# Altium PCB PCBrm.PcbDoc (part 5 of 7)
Units mm, origin at the board's own origin, x right, y up, seen from the top; angles counter-clockwise.
Board outline 220.73 x 137.67 mm, 2 copper layers (Top Layer, Bottom Layer); 138 components, 115 nets, 746 pads, 210 vias.
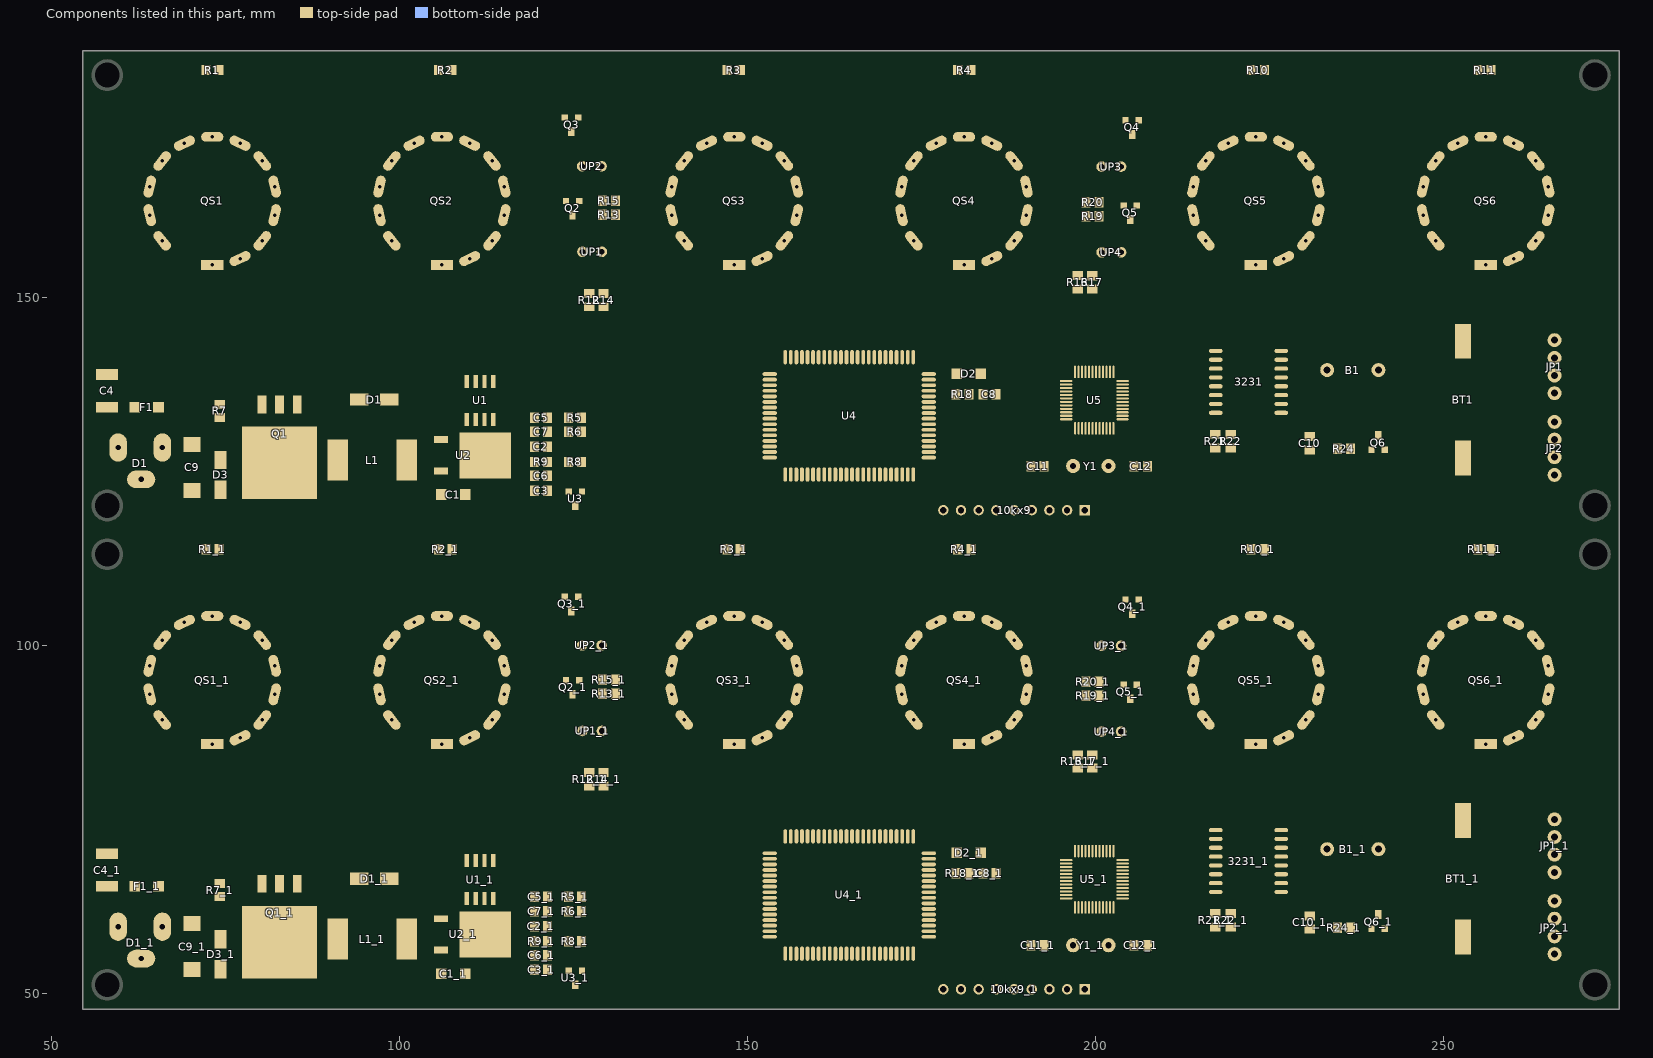
[diagram p5: the components of this part, seen from the top]

## Via types
v1: diameter 1.27, hole 0.711, Top Layer to Bottom Layer, 118 vias
v2: diameter 1.016, hole 0.711, Top Layer to Bottom Layer, 52 vias
v3: diameter 0.61, hole 0.381, Top Layer to Bottom Layer, 40 vias

## Nets (pads, with @x,y where several pads share a name; then routed paths per layer and width w, separated by ;. In a path a pad name is that pad's centre, name@x,y a point inside that pad or via, vN(x,y) a via of type N, cw(c..) or ccw(c..) an arc to the next point about the centre after c; other vN are vias at no path point) (continued)
copper on no net: (continued)
  Top Layer w0.254: 112.016,63.002 112.192,62.418 ; 112.192,63.028 112.192,62.418 ; 112.192,63.65 112.192,62.418 ; 112.368,63.002 112.192,62.418 ; v1@116.447,62.987 115.176,62.342 ; v1@116.542,62.749 115.176,62.342 ; v1@116.558,61.994 115.176,62.342 ; v1@116.598,62.247 115.176,62.342 ; v1@121.729,63.264 121.418,64.415 ; v1@121.785,63.179 121.301,64.182 ; v1@121.86,63.103 121.26,63.917 ; v1@121.954,63.043 121.301,63.651 ; v1@121.962,63.957 121.418,63.418 ; v1@121.968,63.358 121.418,64.415 ; v1@122.002,63.317 121.301,64.182 ; v1@122.047,63.282 121.26,63.917 ; v1@122.063,63.004 121.418,63.418 ; v1@122.101,63.257 121.301,63.651 ; v1@122.112,63.743 121.418,63.418 ; v1@122.121,64.003 121.301,63.651 ; v1@122.164,63.245 121.418,63.418 ; v1@122.187,63.752 121.301,63.651 ; v1@122.255,63.741 121.26,63.917 ; v1@122.267,63.999 121.26,63.917 ; v1@122.312,63.715 121.301,64.182 ; v1@122.357,63.68 121.418,64.415 ; v1@122.392,63.96 121.301,64.182 ; v1@122.493,63.899 121.418,64.415 ; 125.437,106.761 126.637,106.024 125.9,107.225 ; 125.466,94.987 125.793,93.812 126.121,94.987 ; 125.641,107.02 127.356,105.306 127.356,88.908 127.864,88.4 127.864,83.18 129.286,81.758 ; 125.793,95.032 125.793,89.752 127.356,88.19 127.356,81.859 127.254,81.758 127.356,83.177 ; 126.748,81.89 127.356,83.177 ; 126.989,81.802 127.356,83.177 ; 127.031,79.446 128.443,78.669 ; 127.171,79.66 128.443,78.669 ; 127.254,79.858 130.251,76.86 130.251,61.885 v1(130.302,61.885) ; 127.354,79.858 128.443,78.669 ; 127.523,81.764 127.356,83.177 ; 127.567,80.022 128.443,78.669 ; 127.774,81.817 127.356,83.177 ; 127.792,80.144 128.443,78.669 ; 128.748,81.472 128.097,82.946 ; 128.973,81.593 128.097,82.946 ; 129.063,79.446 130.475,78.669 ; 129.186,81.758 128.097,82.946 ; 129.203,79.66 130.475,78.669 ; 129.286,79.858 131.216,77.927 v1(131.216,63.078) ; 129.369,81.955 128.097,82.946 ; 129.386,79.858 130.475,78.669 ; 129.509,82.169 128.097,82.946 ; 129.599,80.022 130.475,78.669 ; 129.824,80.144 130.475,78.669 ; v1@130.717,63.171 131.216,64.475 ; v1@130.963,63.101 131.216,64.475 ; v1@131.469,63.101 131.216,64.475 ; v1@131.716,63.171 131.216,64.475 ; 138.68,95.69 140.212,95.342 ; 138.739,95.668 140.228,95.515 ; 138.757,95.935 140.212,95.342 ; 138.787,95.92 140.228,95.515 ; 138.833,95.648 140.101,95.773 ; 138.834,95.906 140.101,95.773 ; 138.844,95.904 139.921,95.851 ; 138.855,95.628 cw(c138.855,92.271) 141.23,94.645 ; 138.855,95.882 cw(c138.855,93.138) 140.796,95.079 ; 138.855,96.136 cw(c138.855,94.005) 140.362,95.512 ; 138.855,96.39 cw(c138.855,94.872) 139.929,95.946 ; 138.862,95.645 139.921,95.851 ; 139.054,96.499 140.101,95.773 ; 139.056,97.079 139.056,96.819 143.162,92.712 143.162,87.989 142.621,87.448 142.621,70.239 152.145,60.715 ; 139.058,96.497 139.921,95.851 ; 139.085,96.481 140.228,95.515 ; 139.099,91.588 140.5,91.35 ; 139.11,96.462 140.212,95.342 ; 139.162,91.568 140.83,91.43 ; 139.165,91.837 140.5,91.35 ; 139.203,91.82 140.83,91.43 ; 139.221,96.695 140.101,95.773 ; 139.233,91.554 140.737,91.648 ; 139.237,96.685 139.921,95.851 ; 139.239,91.81 140.737,91.648 ; 139.256,91.534 cw(c139.256,87.23) 142.299,90.273 ; 139.256,91.788 cw(c139.256,88.097) 141.866,90.707 ; 139.256,92.042 cw(c139.256,88.965) 141.432,91.141 ; 139.256,92.296 cw(c139.256,89.832) 140.998,91.574 ; 139.256,92.55 cw(c139.256,90.699) 140.565,92.008 ; 139.256,92.804 cw(c139.256,91.566) 140.131,92.441 ; 139.256,93.058 cw(c139.256,92.433) 139.698,92.875 ; 139.267,96.662 140.228,95.515 ; 139.278,91.804 140.739,91.834 ; 139.299,92.441 140.181,92.302 ; 139.306,91.549 140.739,91.834 ; 139.307,96.627 140.212,95.342 ; 139.308,91.803 140.488,91.966 ; 139.37,91.553 140.488,91.966 ; 139.378,92.691 140.181,92.302 ; 139.391,92.43 140.488,91.966 ; 139.403,92.426 140.739,91.834 ; 139.426,91.826 140.181,92.302 ; 139.439,92.413 140.737,91.648 ; 139.466,92.399 140.83,91.43 ; 139.509,92.369 140.5,91.35 ; 139.516,92.655 140.488,91.966 ; 139.528,92.651 140.739,91.834 ; 139.587,92.622 140.737,91.648 ; 139.588,92.984 142.591,89.982 142.591,88.136 142.113,87.658 142.113,69.947 152.145,59.915 ; 139.596,91.628 140.181,92.302 ; 139.63,92.596 140.83,91.43 ; 139.709,92.531 140.5,91.35 ; 140.55,100.317 141.888,99.712 ; 140.564,100.307 141.524,100.009 ; 140.611,100.279 141.59,100.076 ; 140.673,100.543 141.524,100.009 ; 140.675,100.541 141.888,99.712 ; 140.696,100.524 141.59,100.076 ; 140.832,89.296 141.605,88.523 141.605,69.655 152.145,59.115 ; 140.832,100.195 cw(c140.832,98.811) 141.81,99.79 cw(c142.788,100.768) 141.405,100.768 ; 140.832,100.449 cw(c140.832,99.679) 141.377,100.223 cw(c141.921,100.768) 141.151,100.768 ; 140.832,100.768 143.67,97.93 143.67,87.778 143.129,87.237 143.129,70.531 152.145,61.515 ; 141.138,100.975 141.888,99.712 ; 141.142,100.97 141.59,100.076 ; 141.158,100.945 141.524,100.009 ; 141.369,101.086 141.888,99.712 ; 141.387,101.055 141.59,100.076 ; 141.41,101.007 141.524,100.009 ; 142.748,102.716 143.6,101.484 ; 142.787,102.642 143.794,101.571 ; 142.817,102.525 cw(c139.532,99.239) 144.178,99.239 ; 142.971,102.843 143.6,101.484 ; 142.989,102.801 143.794,101.571 ; 142.997,102.704 cw(c140.145,99.852) 144.178,99.852 ; 143.176,102.884 cw(c140.758,100.466) 144.178,100.466 ; 143.356,103.064 cw(c141.371,101.079) 144.178,101.079 ; 143.514,103.278 143.968,101.647 ; 143.521,103.229 144.083,101.805 ; 143.529,103.195 144.178,101.793 ; 143.535,103.173 144.103,102.26 ; 143.536,103.243 cw(c141.984,101.692) 144.178,101.692 ; 143.582,103.025 143.794,101.571 ; 143.59,102.981 143.6,101.484 ; 143.715,103.423 cw(c142.598,102.305) 144.178,102.305 ; 143.765,103.328 143.968,101.647 ; 143.767,103.303 144.083,101.805 ; 143.77,103.283 144.103,102.26 ; 143.769,103.284 144.178,101.793 ; 143.838,103.04 143.794,101.571 ; 143.846,102.961 143.6,101.484 ; 143.895,103.602 cw(c143.211,102.918) 144.178,102.918 ; 144.033,103.321 144.178,103.176 144.178,87.568 143.637,87.027 143.637,70.823 152.145,62.315 ; 144.399,103.284 143.968,101.647 ; 144.4,103.294 144.103,102.26 ; 144.401,103.302 144.083,101.805 ; 144.403,103.322 144.178,101.793 ; 144.639,103.193 144.103,102.26 ; 144.641,103.2 143.968,101.647 ; 144.647,103.228 144.083,101.805 ; 144.653,103.264 144.178,101.793 ; 151.501,103.248 152.017,101.797 ; 151.508,103.212 152.143,101.665 ; 151.511,103.198 152.096,102.027 ; 151.529,103.139 152.075,102.482 ; 151.749,103.313 152.017,101.797 ; 151.752,103.291 152.143,101.665 ; 151.752,103.29 152.096,102.027 ; 151.755,103.274 152.075,102.482 ; 152.017,99.589 cw(c156.169,99.589) 153.233,102.525 ; 152.017,100.202 cw(c155.555,100.202) 153.053,102.704 ; 152.017,100.815 cw(c154.942,100.815) 152.874,102.884 ; 152.017,101.429 cw(c154.329,101.429) 152.694,103.064 ; 152.017,102.042 cw(c153.716,102.042) 152.514,103.243 ; 152.017,102.655 cw(c153.103,102.655) 152.335,103.423 ; 152.017,103.268 cw(c152.489,103.268) 152.155,103.602 ; 152.017,103.321 152.017,92.235 149.681,89.899 147.228,89.899 144.145,86.816 144.145,71.115 152.145,63.115 ; 152.307,102.986 152.489,101.513 ; 152.318,103.063 152.302,101.595 ; 152.336,58.295 cw(c152.253,58.422) 152.145,58.315 ; 152.336,59.095 cw(c152.253,59.222) 152.145,59.115 ; 152.336,59.895 cw(c152.253,60.022) 152.145,59.915 ; 152.336,60.695 cw(c152.253,60.822) 152.145,60.715 ; 152.336,61.495 cw(c152.253,61.622) 152.145,61.515 ; 152.336,62.295 cw(c152.253,62.422) 152.145,62.315 ; 152.336,63.095 cw(c152.253,63.222) 152.145,63.115 ; 152.336,63.895 cw(c152.253,64.022) 152.145,63.915 ; 152.336,64.695 cw(c152.253,64.822) 152.145,64.715 ; 152.336,65.495 cw(c152.253,65.622) 152.145,65.515 ; 152.336,66.295 cw(c152.253,66.422) 152.145,66.315 ; 152.336,67.095 cw(c152.253,67.222) 152.145,67.115 ; 152.336,67.895 cw(c152.253,68.022) 152.145,67.915 ; 152.336,68.695 cw(c152.253,68.822) 152.145,68.715 ; 152.336,69.495 cw(c152.253,69.622) 152.145,69.515 ; 152.381,103.279 152.075,102.482 ; 152.384,103.292 152.017,101.797 ; 152.385,103.304 152.096,102.027 ; 152.386,103.32 152.143,101.665 ; 152.563,102.995 152.489,101.513 ; 152.573,103.038 152.302,101.595 ; 152.609,103.148 152.075,102.482 ; 152.627,103.211 152.017,101.797 ; 152.629,103.222 152.096,102.027 ; 152.636,103.263 152.143,101.665 ; 153.019,70.181 153.167,71.208 153.315,70.181 ; 153.062,70.275 ccw(c152.81,70.528) 153.167,70.528 ccw(c153.524,70.528) 153.272,70.275 ; 153.156,102.789 152.302,101.595 ; 153.167,58.171 153.023,58.315 152.145,58.315 ; 153.167,58.971 153.023,59.115 152.145,59.115 ; 153.167,59.771 153.023,59.915 152.145,59.915 ; 153.167,60.571 153.023,60.715 152.145,60.715 ; 153.167,61.371 153.023,61.515 152.145,61.515 ; 153.167,62.171 153.023,62.315 152.145,62.315 ; 153.167,62.971 153.023,63.115 152.145,63.115 ; 153.167,63.771 153.023,63.915 152.145,63.915 ; 153.167,64.571 153.023,64.715 152.145,64.715 ; 153.167,65.371 153.023,65.515 152.145,65.515 ; 153.167,66.171 153.023,66.315 152.145,66.315 ; 153.167,66.971 153.023,67.115 152.145,67.115 ; 153.167,67.771 153.023,67.915 152.145,67.915 ; 153.167,68.571 153.023,68.715 152.145,68.715 ; 153.167,69.371 153.023,69.515 152.145,69.515 ; 153.167,70.171 153.167,72.048 166.879,85.761 175.341,85.761 177.419,87.839 177.419,92.525 177.032,92.912 177.032,103.299 177.053,103.321 ; 153.175,102.829 152.489,101.513 ; 153.351,102.622 152.302,101.595 ; 153.392,102.691 152.489,101.513 ; 153.474,90.159 cw(c156.794,86.839) 156.794,91.534 ; 153.908,90.592 cw(c156.794,87.706) 156.794,91.788 ; 154.342,91.026 cw(c156.794,88.574) 156.794,92.042 ; 154.775,91.46 cw(c156.794,89.441) 156.794,92.296 ; 155.209,91.893 cw(c156.794,90.308) 156.794,92.55 ; v3@155.215,57.425 155.392,56.373 v3@155.569,57.425 ; v3@155.215,57.451 155.244,56.507 ; v3@155.215,57.423 155.392,56.496 ; 155.218,89.296 155.566,89.296 158.289,92.018 158.289,99.384 152.36,105.313 143.69,105.313 137.761,99.384 137.761,90.367 141.097,87.031 141.097,69.363 152.145,58.315 ; 155.218,97.326 cw(c158.517,97.326) 156.184,99.659 ; 155.218,97.939 cw(c157.904,97.939) 156.005,99.838 ; 155.218,98.552 cw(c157.291,98.552) 155.825,100.018 ; 155.218,99.166 cw(c156.677,99.166) 155.645,100.198 ; 155.218,100.768 155.218,94.718 149.891,89.391 147.438,89.391 144.653,86.606 144.653,71.407 152.145,63.915 ; v3@155.22,57.395 155.54,56.507 ; v3@155.219,57.398 155.377,57.121 ; v3@155.224,57.382 155.407,57.121 ; 155.259,100.126 155.407,98.426 ; 155.264,100.169 155.309,98.634 ; v3@155.266,57.314 cw(c154.963,57.01) 155.392,57.01 cw(c155.821,57.01) v3@155.518,57.314 ; 155.274,100.217 155.288,99.089 ; 155.276,100.228 155.218,98.909 ; 155.287,56.6 ccw(c155.035,56.853) 155.392,56.853 ccw(c155.749,56.853) 155.497,56.6 ; 155.309,100.319 155.268,99.543 ; 155.392,55.746 v3(155.392,57.44) ; 155.392,72.596 155.392,73.513 167.132,85.253 175.551,85.253 178.735,88.437 181.496,88.437 185.037,91.978 185.037,103.321 ; 155.515,100.129 155.407,98.426 ; 155.52,100.156 155.309,98.634 ; 155.531,100.191 155.288,99.089 ; 155.531,100.192 155.218,98.909 ; v3@155.56,57.382 155.377,57.121 ; v3@155.564,57.395 155.244,56.507 ; v3@155.565,57.398 155.407,57.121 ; 155.567,100.26 155.268,99.543 ; v3@155.569,57.423 155.392,56.496 ; v3@155.569,57.451 155.54,56.507 ; 155.587,90.533 156.939,90.849 ; 155.615,90.546 157.114,90.843 ; 155.642,92.327 cw(c156.794,91.175) 156.794,92.804 ; 155.669,90.29 156.939,90.849 ; 155.671,90.565 156.756,90.58 ; 155.686,90.299 157.114,90.843 ; 155.705,90.308 156.756,90.58 ; 155.779,90.064 ccw(c155.779,91.406) 156.728,90.457 ; 155.779,90.318 ccw(c155.779,92.273) 157.161,90.891 ; 155.779,90.572 ccw(c155.779,93.14) 157.595,91.324 ; 155.998,99.808 155.268,99.543 ; v3@156.014,57.864 156.086,56.792 ; v3@156.017,57.829 156.298,56.792 ; v3@156.019,57.819 156.177,57.543 ; v3@156.024,57.804 156.207,57.543 ; 156.03,89.766 157.114,90.843 ; 156.034,89.769 156.756,90.58 ; 156.044,99.548 155.268,99.543 ; 156.044,56.506 156.192,57.533 ; 156.05,89.783 156.939,90.849 ; 156.057,94.839 ccw(c154.695,96.201) 156.622,96.201 ; v3@156.066,57.735 cw(c155.763,57.432) 156.192,57.432 cw(c156.621,57.432) v3@156.318,57.735 ; 156.076,92.761 cw(c156.794,92.042) 156.794,93.058 ; 156.085,99.888 155.288,99.089 ; 156.087,56.6 ccw(c155.835,56.853) 156.192,56.853 ccw(c156.549,56.853) 156.297,56.6 ; 156.093,99.898 155.218,98.909 ; 156.117,99.941 155.309,98.634 ; 156.13,99.972 155.407,98.426 ; 156.192,55.746 v3(156.192,57.861) ; 156.192,56.496 156.192,57.533 ; 156.192,72.596 156.192,73.551 167.386,84.745 175.762,84.745 178.946,87.929 181.706,87.929 188.238,94.46 188.238,100.768 ; 156.225,89.6 157.114,90.843 ; 156.247,89.621 156.756,90.58 ; 156.246,99.686 155.288,99.089 ; 156.261,89.638 156.939,90.849 ; 156.268,99.71 155.218,98.909 ; 156.323,99.788 155.309,98.634 ; 156.34,56.506 156.192,57.533 ; 156.353,99.846 155.407,98.426 ; v3@156.36,57.804 156.177,57.543 ; v3@156.365,57.819 156.207,57.543 ; v3@156.367,57.829 156.086,56.792 ; v3@156.37,57.864 156.298,56.792 ; 156.439,91.718 155.98,92.586 ; 156.458,92.545 155.61,91.382 ; 156.491,95.273 ccw(c155.562,96.201) 156.876,96.201 ; 156.544,92.61 155.296,91.503 ; 156.597,92.639 155.378,91.735 ; 156.601,95.382 cw(c157.195,94.788) 157.195,95.628 ; 156.646,91.585 155.673,92.25 ; 156.651,91.869 155.98,92.586 ; 156.652,92.376 155.61,91.382 ; 156.661,92.665 155.463,91.957 ; 156.673,92.669 155.228,91.913 ; 156.699,92.406 155.296,91.503 ; 156.732,92.42 155.378,91.735 ; 156.747,96.498 156.363,95.238 ; 156.752,96.508 156.163,94.945 ; 156.767,92.69 155.673,92.25 ; 156.768,91.813 155.673,92.25 ; 156.771,92.432 155.463,91.957 ; 156.773,92.433 155.228,91.913 ; 156.777,93.506 156.286,92.922 ; 156.795,91.551 155.463,91.957 ; v3@156.815,57.423 156.992,56.496 ; v3@156.815,57.425 156.992,56.373 v3@157.169,57.425 ; v3@156.815,57.451 156.844,56.507 ; 156.817,91.55 155.228,91.913 ; v3@156.82,57.395 157.14,56.507 ; v3@156.819,57.398 156.977,57.121 ; v3@156.824,57.382 157.007,57.121 ; 156.836,92.441 155.673,92.25 ; 156.846,91.803 155.463,91.957 ; 156.855,91.803 155.228,91.913 ; v3@156.866,57.314 cw(c156.563,57.01) 156.992,57.01 cw(c157.421,57.01) v3@157.118,57.314 ; 156.884,91.55 155.378,91.735 ; 156.885,92.449 156.286,92.922 ; 156.887,56.6 ccw(c156.635,56.853) 156.992,56.853 ccw(c157.349,56.853) 157.097,56.6 ; 156.893,91.807 155.378,91.735 ; 156.934,91.816 155.296,91.503 ; 156.947,93.303 156.286,92.922 ; 156.948,92.424 155.98,92.586 ; 156.956,92.684 155.98,92.586 ; 156.963,91.561 155.296,91.503 ; 156.978,91.832 155.61,91.382 ; 156.984,96.399 156.163,94.945 ; 156.984,96.4 156.363,95.238 ; 156.992,55.746 v3(156.992,57.44) ; 156.992,72.596 157.136,72.74 157.136,73.617 ; 156.994,92.984 156.3,92.984 ; 156.994,97.079 157.353,96.72 157.353,96.135 150.102,88.883 147.649,88.883 145.161,86.396 145.161,71.699 152.145,64.715 ; 157.011,92.682 156.286,92.922 ; 157.036,91.582 155.61,91.382 ; 157.116,73.426 cw(c157.244,73.51) 157.136,73.617 ; v3@157.16,57.382 156.977,57.121 ; v3@157.164,57.395 156.844,56.507 ; v3@157.165,57.398 157.007,57.121 ; v3@157.169,57.423 156.992,56.496 ; v3@157.169,57.451 157.14,56.507 ; 157.455,95.976 156.363,95.238 ; 157.467,95.988 156.163,94.945 ; 157.577,95.75 156.363,95.238 ; v3@157.607,57.873 157.686,56.799 ; v3@157.61,57.838 157.897,56.805 ; v3@157.612,57.828 157.777,57.542 ; 157.612,95.776 156.163,94.945 ; v3@157.618,57.809 157.806,57.564 ; 157.644,56.506 157.792,57.533 ; v3@157.659,57.746 cw(c157.338,57.425) 157.792,57.425 ; 157.687,56.6 ccw(c157.435,56.853) 157.792,56.853 ccw(c158.149,56.853) 157.897,56.6 ; 157.792,55.746 157.792,57.864 v3(157.785,57.871) ; 157.792,56.496 157.792,57.533 ; 157.792,57.46 cw(c158.197,57.46) v3@157.911,57.746 ; 157.792,72.596 157.936,72.74 157.936,73.617 ; 157.916,73.426 cw(c158.044,73.51) 157.936,73.617 ; 157.94,56.506 157.792,57.533 ; v3@157.955,57.819 157.777,57.542 ; v3@157.958,57.832 157.806,57.564 ; v3@157.96,57.841 157.686,56.799 ; v3@157.963,57.875 157.897,56.805 ; v3@158.415,57.423 158.592,56.496 ; v3@158.415,57.425 158.592,56.373 v3@158.769,57.425 ; v3@158.415,57.451 158.444,56.507 ; v3@158.42,57.395 158.74,56.507 ; v3@158.419,57.398 158.577,57.121 ; v3@158.424,57.382 158.607,57.121 ; v3@158.466,57.314 cw(c158.163,57.01) 158.592,57.01 cw(c159.021,57.01) v3@158.718,57.314 ; 158.487,56.6 ccw(c158.235,56.853) 158.592,56.853 ccw(c158.949,56.853) 158.697,56.6 ; 158.592,55.746 v3(158.592,57.44) ; 158.592,72.596 158.736,72.74 158.736,73.617 ; 158.716,73.426 cw(c158.844,73.51) 158.736,73.617 ; v3@158.76,57.382 158.577,57.121 ; v3@158.764,57.395 158.444,56.507 ; v3@158.765,57.398 158.607,57.121 ; v3@158.769,57.423 158.592,56.496 ; v3@158.769,57.451 158.74,56.507 ; v3@159.207,57.873 159.286,56.799 ; v3@159.21,57.838 159.497,56.805 ; v3@159.213,57.828 159.377,57.543 ; v3@159.219,57.809 159.406,57.564 ; 159.244,56.506 159.392,57.533 ; v3@159.259,57.746 cw(c158.939,57.425) 159.392,57.425 ; 159.287,56.6 ccw(c159.035,56.853) 159.392,56.853 ccw(c159.749,56.853) 159.497,56.6 ; 159.392,55.746 159.392,57.864 v3(159.385,57.871) ; 159.392,56.496 159.392,57.533 ; 159.392,57.459 cw(c159.797,57.459) v3@159.511,57.746 ; 159.516,73.426 cw(c159.644,73.51) 159.536,73.617 ; 159.536,72.807 159.536,73.617 ; 159.54,56.506 159.392,57.533 ; v3@159.555,57.819 159.377,57.543 ; v3@159.558,57.832 159.406,57.564 ; v3@159.56,57.841 159.286,56.799 ; v3@159.563,57.875 159.497,56.805 ; v3@160.015,57.423 160.192,56.496 ; v3@160.015,57.425 160.192,56.373 v3@160.369,57.425 ; v3@160.015,57.451 160.044,56.507 ; v3@160.019,57.398 160.177,57.121 ; v3@160.02,57.395 160.34,56.507 ; v3@160.024,57.382 160.207,57.121 ; v3@160.066,57.314 cw(c159.763,57.01) 160.192,57.01 cw(c160.621,57.01) v3@160.318,57.314 ; 160.087,56.6 ccw(c159.835,56.853) 160.192,56.853 ccw(c160.549,56.853) 160.297,56.6 ; 160.192,55.746 v3(160.192,57.44) ; 160.192,72.596 160.336,72.74 160.336,73.617 ; 160.316,73.426 cw(c160.444,73.51) 160.336,73.617 ; v3@160.36,57.382 160.177,57.121 ; v3@160.364,57.395 160.044,56.507 ; v3@160.365,57.398 160.207,57.121 ; v3@160.369,57.423 160.192,56.496 ; v3@160.369,57.451 160.34,56.507 ; v3@160.807,57.873 160.886,56.799 ; v3@160.811,57.838 161.097,56.805 ; v3@160.813,57.828 160.977,57.543 ; v3@160.819,57.809 161.006,57.564 ; 160.844,56.506 160.992,57.533 ; v3@160.859,57.746 cw(c160.54,57.426) 160.992,57.426 ; 160.887,56.6 ccw(c160.635,56.853) 160.992,56.853 ccw(c161.349,56.853) 161.097,56.6 ; 160.992,55.746 160.992,57.865 v3(160.985,57.871) ; 160.992,56.496 160.992,57.533 ; 160.992,57.459 cw(c161.398,57.459) v3@161.111,57.746 ; 160.992,72.596 161.136,72.74 161.136,73.617 ; 161.116,73.426 cw(c161.244,73.51) 161.136,73.617 ; 161.14,56.506 160.992,57.533 ; v3@161.155,57.819 160.977,57.543 ; v3@161.159,57.832 161.006,57.564 ; v3@161.16,57.841 160.886,56.799 ; v3@161.163,57.875 161.097,56.805 ; v3@161.615,57.423 161.792,56.496 ; v3@161.615,57.425 161.792,56.373 v3@161.969,57.425 ; v3@161.615,57.451 161.644,56.507 ; v3@161.619,57.398 161.777,57.121 ; v3@161.62,57.395 161.94,56.507 ; v3@161.624,57.382 161.807,57.121 ; v3@161.666,57.314 cw(c161.363,57.01) 161.792,57.01 cw(c162.221,57.01) v3@161.918,57.314 ; 161.687,56.6 ccw(c161.435,56.853) 161.792,56.853 ccw(c162.149,56.853) 161.897,56.6 ; 161.792,55.746 v3(161.792,57.44) ; 161.792,72.596 161.936,72.74 161.936,73.617 ; 161.916,73.426 cw(c162.044,73.51) 161.936,73.617 ; v3@161.96,57.382 161.777,57.121 ; v3@161.964,57.395 161.644,56.507 ; v3@161.965,57.398 161.807,57.121 ; v3@161.969,57.423 161.792,56.496 ; v3@161.969,57.451 161.94,56.507 ; v3@162.414,57.864 162.486,56.792 ; v3@162.417,57.829 162.698,56.792 ; v3@162.419,57.819 162.577,57.543 ; v3@162.424,57.804 162.607,57.543 ; 162.444,56.506 162.592,57.533 ; v3@162.466,57.735 cw(c162.163,57.432) 162.592,57.432 cw(c163.021,57.432) v3@162.718,57.735 ; 162.487,56.6 ccw(c162.235,56.853) 162.592,56.853 ccw(c162.949,56.853) 162.697,56.6 ; 162.592,55.746 v3(162.592,57.861) ; 162.592,56.496 162.592,57.533 ; 162.592,72.596 162.736,72.74 162.736,73.617 ; 162.716,73.426 cw(c162.844,73.51) 162.736,73.617 ; 162.74,56.506 162.592,57.533 ; v3@162.76,57.804 162.577,57.543 ; v3@162.765,57.819 162.607,57.543 ; v3@162.767,57.829 162.486,56.792 ; v3@162.77,57.864 162.698,56.792 ; v3@163.215,57.451 163.244,56.507 ; v3@163.215,57.423 163.392,56.496 ; v3@163.215,57.425 163.392,56.373 v3@163.569,57.425 ; v3@163.219,57.398 163.377,57.121 ; v3@163.22,57.395 163.54,56.507 ; v3@163.224,57.382 163.407,57.121 ; v3@163.266,57.314 cw(c162.963,57.01) 163.392,57.01 cw(c163.821,57.01) v3@163.518,57.314 ; 163.287,56.6 ccw(c163.035,56.853) 163.392,56.853 ccw(c163.749,56.853) 163.497,56.6 ; 163.392,55.746 v3(163.392,57.44) ; 163.392,72.596 163.536,72.74 163.536,73.617 170.091,80.173 205.657,80.173 210.083,84.599 210.083,99.65 217.778,107.345 228.132,107.345 235.251,100.225 235.251,88.504 238.502,85.253 250.912,85.253 253.588,87.929 256.93,87.929 259.967,90.965 259.967,103.321 ; 163.516,73.426 cw(c163.644,73.51) 163.536,73.617 ; v3@163.56,57.382 163.377,57.121 ; v3@163.564,57.395 163.244,56.507 ; v3@163.565,57.398 163.407,57.121 ; v3@163.569,57.423 163.392,56.496 ; v3@163.569,57.451 163.54,56.507 ; v3@164.008,57.873 164.087,56.799 ; v3@164.011,57.838 164.297,56.805 ; v3@164.013,57.828 164.177,57.543 ; v3@164.019,57.809 164.206,57.563 ; 164.044,56.506 164.192,57.533 ; v3@164.06,57.746 cw(c163.741,57.427) 164.192,57.427 ; 164.087,56.6 ccw(c163.835,56.853) 164.192,56.853 ccw(c164.549,56.853) 164.297,56.6 ; 164.192,55.746 164.192,57.865 v3(164.186,57.871) ; 164.192,56.496 164.192,57.533 ; 164.192,57.458 cw(c164.599,57.458) v3@164.311,57.746 ; 164.192,72.596 164.336,72.74 164.336,73.617 ; 164.316,73.426 cw(c164.444,73.51) 164.336,73.617 ; 164.34,56.506 164.192,57.533 ; v3@164.355,57.819 164.177,57.543 ; v3@164.359,57.832 164.206,57.563 ; v3@164.361,57.84 164.087,56.799 ; v3@164.363,57.875 164.297,56.805 ; v3@164.815,57.425 164.992,56.373 v3@165.169,57.425 ; v3@164.815,57.451 164.844,56.507 ; v3@164.815,57.423 164.992,56.496 ; v3@164.82,57.395 165.14,56.507 ; v3@164.819,57.398 164.977,57.121 ; v3@164.824,57.382 165.007,57.121 ; v3@164.866,57.314 cw(c164.563,57.01) 164.992,57.01 cw(c165.421,57.01) v3@165.118,57.314 ; 164.887,56.6 ccw(c164.635,56.853) 164.992,56.853 ccw(c165.349,56.853) 165.097,56.6 ; 164.992,55.746 v3(164.992,57.44) ; 164.992,72.596 165.136,72.74 165.136,73.617 ; 165.116,73.426 cw(c165.244,73.51) 165.136,73.617 ; v3@165.16,57.382 164.977,57.121 ; v3@165.164,57.395 164.844,56.507 ; v3@165.165,57.398 165.007,57.121 ; v3@165.169,57.423 164.992,56.496 ; v3@165.169,57.451 165.14,56.507 ; 165.644,56.506 165.792,57.533 ; v3@165.659,57.931 165.696,56.862 ; v3@165.66,57.898 165.907,56.734 ; v3@165.661,57.893 165.812,57.536 ; 165.687,56.6 ccw(c165.435,56.853) 165.792,56.853 ; v3@165.711,57.796 cw(c165.515,57.601) 165.792,57.601 ; 165.792,55.746 165.792,57.878 v3(165.837,57.922) ; 165.792,56.496 165.792,57.533 ; 165.792,57.385 cw(c166.374,57.385) v3@165.962,57.796 ; 165.792,72.596 165.936,72.74 165.936,73.617 ; 165.897,56.6 cw(c166.149,56.853) 165.792,56.853 ; 165.916,73.426 cw(c166.044,73.51) 165.936,73.617 ; 165.94,56.506 165.792,57.533 ; v3@166.007,57.87 165.812,57.536 ; v3@166.01,57.884 165.696,56.862 ; v3@166.014,57.919 165.907,56.734 ; v3@166.415,57.423 166.592,56.496 ; v3@166.415,57.425 166.592,56.373 v3@166.769,57.425 ; v3@166.415,57.451 166.444,56.507 ; v3@166.42,57.395 166.74,56.507 ; v3@166.419,57.398 166.577,57.121 ; v3@166.424,57.382 166.607,57.121 ; v3@166.466,57.314 cw(c166.163,57.01) 166.592,57.01 cw(c167.021,57.01) v3@166.718,57.314 ; 166.487,56.6 ccw(c166.235,56.853) 166.592,56.853 ccw(c166.949,56.853) 166.697,56.6 ; 166.592,55.746 v3(166.592,57.44) ; 166.592,72.596 166.736,72.74 166.736,73.617 ; 166.716,73.426 cw(c166.844,73.51) 166.736,73.617 ; v3@166.76,57.382 166.577,57.121 ; v3@166.764,57.395 166.444,56.507 ; v3@166.765,57.398 166.607,57.121 ; v3@166.769,57.423 166.592,56.496 ; v3@166.769,57.451 166.74,56.507 ; v3@167.208,57.873 167.287,56.799 ; v3@167.211,57.838 167.497,56.804 ; v3@167.214,57.828 167.377,57.544 ; v3@167.219,57.809 167.406,57.562 ; 167.244,56.506 167.392,57.533 ; v3@167.26,57.746 cw(c166.942,57.428) 167.392,57.428 ; 167.287,56.6 ccw(c167.035,56.853) 167.392,56.853 ccw(c167.749,56.853) 167.497,56.6 ; 167.392,55.746 167.392,57.865 v3(167.386,57.871) ; 167.392,56.496 167.392,57.533 ; 167.392,57.457 cw(c167.801,57.457) v3@167.512,57.746 ; 167.392,72.596 167.536,72.74 167.536,73.617 ; 167.516,73.426 cw(c167.644,73.51) 167.536,73.617 ; 167.54,56.506 167.392,57.533 ; v3@167.556,57.818 167.377,57.544 ; v3@167.559,57.831 167.406,57.562 ; v3@167.561,57.84 167.287,56.799 ; v3@167.564,57.875 167.497,56.804 ; v3@168.015,57.423 168.192,56.496 ; v3@168.015,57.425 168.192,56.373 v3@168.369,57.425 ; v3@168.015,57.451 168.044,56.507 ; v3@168.02,57.395 168.34,56.507 ; v3@168.019,57.398 168.177,57.121 ; v3@168.024,57.382 168.207,57.121 ; v3@168.066,57.314 cw(c167.763,57.01) 168.192,57.01 cw(c168.621,57.01) v3@168.318,57.314 ; 168.087,56.6 ccw(c167.835,56.853) 168.192,56.853 ccw(c168.549,56.853) 168.297,56.6 ; 168.192,55.746 v3(168.192,57.44) ; 168.192,72.596 168.336,72.74 168.336,73.617 ; 168.316,73.426 cw(c168.444,73.51) 168.336,73.617 ; v3@168.36,57.382 168.177,57.121 ; v3@168.364,57.395 168.044,56.507 ; v3@168.365,57.398 168.207,57.121 ; v3@168.369,57.423 168.192,56.496 ; v3@168.369,57.451 168.34,56.507 ; v3@168.834,57.852 168.884,56.783 ; v3@168.836,57.817 169.102,56.767 ; v3@168.839,57.802 169.009,57.498 ; 168.844,56.506 168.992,57.533 ; v3@168.886,57.72 cw(c168.63,57.464) 168.992,57.464 ; 168.887,56.6 ccw(c168.635,56.853) 168.992,56.853 ccw(c169.349,56.853) 169.097,56.6 ; 168.992,55.746 v3@168.992,57.846 ; 168.992,56.496 168.992,57.533 ; 168.992,57.369 cw(c169.488,57.369) v3@169.137,57.72 ; 168.992,72.596 169.136,72.74 169.136,73.617 ; 169.116,73.426 cw(c169.244,73.51) 169.136,73.617 ; 169.14,56.506 168.992,57.533 ; v3@169.183,57.799 169.009,57.498 ; v3@169.186,57.81 168.884,56.783 ; v3@169.189,57.846 169.102,56.767 ; v3@169.609,57.41 169.644,56.507 ; v3@169.609,57.381 169.792,56.496 ; v3@169.609,57.384 169.792,56.333 ; v3@169.614,57.356 169.777,57.073 ; v3@169.615,57.352 169.94,56.507 ; v3@169.62,57.338 169.806,57.09 ; v3@169.661,57.274 cw(c169.343,56.956) 169.792,56.956 ; 169.687,56.6 ccw(c169.435,56.853) 169.792,56.853 ccw(c170.149,56.853) 169.897,56.6 ; 169.792,55.746 v3@169.792,57.44 ; 169.792,56.984 cw(c170.202,56.984) v3@169.912,57.274 ; 169.792,72.596 169.936,72.74 169.936,73.617 ; 169.916,73.426 cw(c170.044,73.51) 169.936,73.617 ; v3@169.956,57.346 169.777,57.073 ; v3@169.958,57.354 169.644,56.507 ; v3@169.96,57.359 169.806,57.09 ; v3@169.963,57.383 169.792,56.496 ; v3@169.964,57.385 169.792,56.333 ; v3@169.964,57.412 169.94,56.507 ; v3@170.434,57.803 170.477,56.732 ; v3@170.437,57.765 170.71,56.714 ; v3@170.44,57.751 170.609,57.447 ; 170.444,56.506 v3@170.592,57.533 ; v3@170.486,57.669 cw(c170.23,57.414) 170.592,57.414 ; 170.487,56.6 ccw(c170.235,56.853) 170.592,56.853 ccw(c170.949,56.853) 170.697,56.6 ; 170.592,55.746 v3@170.592,57.795 ; 170.592,56.496 v3@170.592,57.533 ; 170.592,57.318 cw(c171.089,57.318) v3@170.738,57.669 ; 170.592,72.596 170.736,72.74 170.736,73.617 ; 170.716,73.426 cw(c170.844,73.51) 170.736,73.617 ; 170.74,56.506 v3@170.592,57.533 ; v3@170.783,57.748 170.609,57.447 ; v3@170.786,57.758 170.477,56.732 ; v3@170.79,57.797 170.71,56.714 ; 171.392,72.596 171.536,72.74 171.536,73.617 ; 171.516,73.426 cw(c171.644,73.51) 171.536,73.617 ; 171.65,95.704 173.087,95.304 ; 171.699,95.682 173.038,95.469 ; 171.734,95.67 172.781,95.64 ; 171.74,95.945 173.087,95.304 ; 171.764,95.932 173.038,95.469 ; 171.774,95.927 172.781,95.64 ; 171.875,95.628 cw(c171.875,93.205) 173.589,94.919 ; 171.875,95.882 cw(c171.875,94.072) 173.155,95.352 ; 171.875,96.136 cw(c171.875,94.939) 172.722,95.786 ; 172.073,91.599 173.466,91.29 ; 172.076,92.984 175.547,89.513 175.547,88.122 174.71,87.285 166.248,87.285 150.745,71.782 150.745,69.315 152.145,67.915 ; 172.076,97.079 172.076,96.432 176.403,92.105 176.403,88.26 174.92,86.777 166.458,86.777 151.253,71.571 151.253,69.607 152.145,68.715 ; 172.113,96.46 173.038,95.469 ; 172.121,96.453 172.781,95.64 ; 172.128,96.447 173.087,95.304 ; 172.14,91.574 173.478,91.466 ; 172.151,91.844 173.466,91.29 ; 172.162,91.568 173.563,91.497 ; 172.186,91.827 173.478,91.466 ; 172.192,72.596 172.336,72.74 172.336,73.617 ; 172.199,91.822 173.563,91.497 ; 172.25,91.808 173.172,91.802 ; 172.276,91.534 cw(c172.276,88.516) 174.41,90.65 ; 172.276,91.788 cw(c172.276,89.383) 173.976,91.084 ; 172.276,92.042 cw(c172.276,90.25) 173.543,91.517 ; 172.276,92.296 cw(c172.276,91.117) 173.109,91.951 ; 172.285,91.55 173.172,91.802 ; 172.316,73.426 cw(c172.444,73.51) 172.336,73.617 ; 172.317,96.617 173.038,95.469 ; 172.338,96.594 173.087,95.304 ; 172.342,96.59 172.781,95.64 ; 172.448,96.201 ccw(c172.792,96.201) 172.549,95.959 ; 172.468,92.398 173.172,91.802 ; 172.481,92.39 173.563,91.497 ; 172.495,92.38 173.478,91.466 ; 172.522,92.359 173.466,91.29 ; 172.662,92.572 173.563,91.497 ; 172.664,92.571 173.172,91.802 ; 172.688,92.551 173.478,91.466 ; 172.729,92.511 173.466,91.29 ; 172.992,72.596 173.136,72.74 173.136,73.617 ; 173.116,73.426 cw(c173.244,73.51) 173.136,73.617 ; 173.279,89.295 cw(c171.896,89.295) 172.874,88.317 cw(c173.852,87.339) 173.852,88.722 ; 173.375,89.574 173.16,88.537 ; 173.4,89.619 173.094,88.604 ; 173.41,89.633 172.839,88.282 ; 173.533,89.295 cw(c172.763,89.295) 173.308,88.751 cw(c173.852,88.206) 173.852,88.976 ; 173.555,100.314 174.898,99.722 ; 173.57,100.303 174.544,100.009 ; 173.617,100.276 174.61,100.076 ; 173.621,89.491 173.16,88.537 ; 173.637,89.512 172.839,88.282 ; 173.638,89.514 173.094,88.604 ; 173.677,100.54 174.544,100.009 ; 173.678,100.539 174.898,99.722 ; 173.7,100.522 174.61,100.076 ; 173.712,72.72 174.713,73.276 ; 173.792,72.596 174.713,73.276 ; 173.852,89.296 172.349,87.793 166.038,87.793 150.237,71.992 150.237,69.023 152.145,67.115 ; 173.852,100.195 cw(c173.852,98.811) 174.83,99.79 cw(c175.808,100.768) 174.425,100.768 ; 173.852,100.449 cw(c173.852,99.679) 174.397,100.223 cw(c174.941,100.768) 174.171,100.768 ; 173.852,100.768 176.524,98.096 176.524,92.702 176.911,92.315 176.911,88.049 175.13,86.269 166.669,86.269 151.761,71.361 151.761,69.899 152.145,69.515 ; 173.863,72.426 175.006,73.569 205.446,73.569 205.499,73.516 208.354,73.516 218.694,83.856 224.409,83.856 225.04,84.486 225.04,87.026 230.998,92.984 ; 173.887,72.482 174.713,73.276 ; 174.058,89.044 173.094,88.604 ; 174.136,88.796 173.094,88.604 ; 174.137,100.977 174.898,99.722 ; 174.139,100.974 174.61,100.076 ; 174.156,100.949 174.544,100.009 ; 174.181,88.821 173.16,88.537 ; 174.198,88.832 172.839,88.282 ; 174.367,101.09 174.898,99.722 ; 174.383,101.064 174.61,100.076 ; 174.407,101.017 174.544,100.009 ; 175.256,61.223 174.289,61.371 ; 175.256,61.518 174.289,61.371 ; 175.267,61.371 174.289,61.371 ; 175.748,102.718 176.595,101.478 ; 175.784,102.649 176.777,101.558 ; 175.837,102.525 cw(c172.953,99.64) 177.032,99.64 ; 175.971,102.844 176.595,101.478 ; 175.988,102.805 176.777,101.558 ; 176.017,58.171 176.263,58.416 176.997,58.416 177.773,59.192 178.56,59.192 178.595,59.157 v2(182.88,59.157) ; 176.017,58.971 176.751,58.971 178.105,60.325 185.969,60.325 190.826,65.181 195.746,65.181 ; 176.017,59.771 176.263,60.016 176.997,60.016 178.525,61.544 v2(182.88,61.544) 186.614,61.544 191.251,66.181 195.746,66.181 ; 176.017,60.571 176.751,60.571 178.614,62.433 186.842,62.433 191.09,66.681 195.746,66.681 ; 176.017,61.371 174.289,61.371 ; 176.017,66.171 177.819,66.171 v1(178.206,66.558) ; 176.017,102.704 cw(c173.566,100.254) 177.032,100.254 ; 176.196,102.884 cw(c174.179,100.867) 177.032,100.867 ; 176.376,103.064 cw(c174.792,101.48) 177.032,101.48 ; 176.514,103.292 176.929,101.625 ; 176.516,103.265 176.956,102.06 ; 176.519,103.249 177.032,101.793 ; 176.556,103.243 cw(c175.406,102.093) 177.032,102.093 ; 176.584,103.021 176.777,101.558 ; 176.591,102.98 176.595,101.478 ; 176.735,103.423 cw(c176.019,102.706) 177.032,102.706 ; 176.767,103.314 177.032,101.793 ; 176.766,103.328 176.956,102.06 ; 176.766,103.335 176.929,101.625 ; 176.84,103.032 176.777,101.558 ; 176.847,102.959 176.595,101.478 ; 176.915,103.602 cw(c176.632,103.32) 177.032,103.32 ; 177.396,103.264 176.956,102.06 ; 177.399,103.277 176.929,101.625 ; 177.401,103.292 177.032,101.793 ; 177.628,103.152 176.956,102.06 ; 177.639,103.189 176.929,101.625 ; 177.644,103.21 177.032,101.793 ; v1(178.181,58.278) 177.658,58.278 176.997,57.616 174.626,57.616 174.289,57.954 174.289,61.371 ; v1@179.883,54.407 179.908,54.407 180.645,53.67 180.645,50.622 ; v1@181.305,54.788 183.185,52.908 183.185,50.622 ; v2@182.88,59.182 185.623,59.182 191.122,64.681 195.746,64.681 ; v1@184.366,54.953 188.265,51.054 188.265,50.622 ; 184.503,103.241 185.037,101.797 ; 184.51,103.207 185.16,101.657 ; 184.514,103.19 185.116,102.027 ; 184.535,103.127 185.095,102.482 ; 184.75,103.309 185.037,101.797 ; 184.753,103.285 185.116,102.027 ; 184.753,103.288 185.16,101.657 ; 184.757,103.267 185.095,102.482 ; 185.037,99.589 cw(c189.189,99.589) 186.253,102.525 ; 185.037,100.202 cw(c188.575,100.202) 186.073,102.704 ; 185.037,100.815 cw(c187.962,100.815) 185.894,102.884 ; 185.037,101.429 cw(c187.349,101.429) 185.714,103.064 ; 185.037,102.042 cw(c186.736,102.042) 185.534,103.243 ; 185.037,102.655 cw(c186.123,102.655) 185.355,103.423 ; 185.037,103.268 cw(c185.509,103.268) 185.175,103.602 ; 185.307,102.98 185.505,101.505 ; 185.317,103.056 185.319,101.587 ; 185.383,103.286 185.095,102.482 ; 185.385,103.296 185.037,101.797 ; 185.386,103.308 185.116,102.027 ; 185.387,103.323 185.16,101.657 ; 185.564,102.992 185.505,101.505 ; 185.573,103.034 185.319,101.587 ; 185.614,103.16 185.095,102.482 ; 185.629,103.218 185.037,101.797 ; 185.632,103.231 185.116,102.027 ; 185.637,103.269 185.16,101.657 ; v1@185.903,55.753 185.75,55.601 185.75,54.534 188.051,52.233 190.576,52.233 190.805,52.004 190.805,50.622 ; 186.159,102.792 185.319,101.587 ; 186.178,102.832 185.505,101.505 ; 186.356,102.628 185.319,101.587 ; 186.396,102.697 185.505,101.505 ; v1(187.325,54.966) 187.325,54.305 188.991,52.639 191.328,52.639 193.345,50.622 ; 188.238,89.296 188.894,89.952 189.242,89.952 191.309,92.018 191.309,99.384 184.739,105.954 177.114,105.954 170.586,99.426 170.586,89.418 169.469,88.301 165.827,88.301 149.729,72.202 149.729,68.731 152.145,66.315 ; 188.238,97.326 cw(c191.537,97.326) 189.204,99.659 ; 188.238,97.939 cw(c190.924,97.939) 189.025,99.838 ; 188.238,98.552 cw(c190.311,98.552) 188.845,100.018 ; 188.238,99.166 cw(c189.697,99.166) 188.665,100.198 ; 188.259,100.116 188.44,98.463 ; 188.264,100.162 188.329,98.634 ; 188.272,100.208 188.308,99.089 ; 188.275,100.22 188.238,98.905 ; 188.304,100.306 188.288,99.543 ; 188.515,100.124 188.44,98.463 ; 188.52,100.152 188.329,98.634 ; 188.53,100.186 188.308,99.089 ; 188.53,100.187 188.238,98.905 ; 188.564,100.254 188.288,99.543 ; 188.591,90.535 189.944,90.842 ; 188.618,90.546 190.135,90.844 ; 188.671,90.291 189.944,90.842 ; 188.674,90.566 189.776,90.58 ; 188.688,90.3 190.135,90.844 ; 188.708,90.309 189.776,90.58 ; 188.799,90.064 ccw(c188.799,91.406) 189.748,90.457 ; 188.799,90.318 ccw(c188.799,92.273) 190.181,90.891 ; 188.799,90.572 ccw(c188.799,93.14) 190.615,91.324 ; v1(188.849,55.778) 188.951,55.778 191.684,53.045 192.377,53.045 194.801,50.622 195.885,50.622 ; 188.895,94.399 ccw(c187.093,96.201) 189.642,96.201 ; 189.002,99.81 188.288,99.543 ; 189.029,89.764 190.135,90.844 ; 189.032,89.767 189.776,90.58 ; 189.049,89.782 189.944,90.842 ; 189.05,99.55 188.288,99.543 ; 189.089,99.892 188.308,99.089 ; 189.096,99.902 188.238,98.905 ; 189.119,99.944 188.329,98.634 ; 189.132,99.975 188.44,98.463 ; 189.222,89.596 190.135,90.844 ; 189.242,89.616 189.776,90.58 ; 189.252,99.691 188.308,99.089 ; 189.26,89.635 189.944,90.842 ; 189.274,99.716 188.238,98.905 ; 189.327,99.793 188.329,98.634 ; 189.329,94.833 ccw(c187.96,96.201) 189.896,96.201 ; 189.356,99.851 188.44,98.463 ; v1@189.451,68.485 190.452,68.181 ; v1@189.556,68.72 190.452,68.181 ; 189.609,92.579 ccw(c188.631,91.601) 188.631,92.984 ccw(c188.631,94.368) 189.609,93.39 ; 189.7,96.389 189.636,95.234 ; v1(189.713,68.92) 190.452,68.181 ; 189.721,96.446 189.331,94.835 ; 189.73,96.465 189.392,95.101 ; 189.762,95.266 ccw(c188.827,96.201) 190.15,96.201 ; 189.789,92.759 ccw(c189.244,92.214) 189.244,92.984 ccw(c189.244,93.755) 189.789,93.21 ; 189.859,93.541 188.989,92.937 ; 189.874,92.453 188.989,93.032 ; 189.888,95.73 cw(c189.721,95.49) 190.014,95.49 ; 189.907,93.556 188.989,93.032 ; v1@189.913,69.077 190.452,68.181 ; 189.924,92.44 188.989,92.937 ; 189.929,93.561 188.565,92.984 ; 189.941,92.436 188.565,92.984 ; 189.955,96.346 189.636,95.234 ; 189.965,96.366 189.331,94.835 ; 189.973,96.381 189.392,95.101 ; 189.979,93.312 188.989,92.937 ; 189.988,92.686 188.989,93.032 ; 190.007,93.316 188.989,93.032 ; 190.008,93.316 188.565,92.984 ; 190.015,92.682 188.565,92.984 ; 190.014,92.984 188.199,92.984 183.07,87.856 183.07,85.126 183.026,85.081 183.026,84.974 181.781,83.729 168.047,83.729 157.936,73.617 ; 190.014,97.079 190.014,95.518 181.957,87.462 181.957,87.422 181.956,87.421 179.156,87.421 175.972,84.237 167.755,84.237 157.136,73.617 ; 190.017,92.682 188.989,92.937 ; v1@190.148,69.182 190.452,68.181 ; 190.476,95.995 189.392,95.101 ; 190.491,96.013 189.636,95.234 ; 190.494,96.016 189.331,94.835 ; 190.621,95.783 189.392,95.101 ; 190.643,95.803 189.636,95.234 ; 190.662,95.822 189.331,94.835 ; 192.593,56.932 196.723,56.932 196.748,56.957 ; 192.619,56.664 194.005,56.932 ; 192.619,57.199 194.005,56.932 ; 192.69,56.418 194.005,56.932 ; 192.69,57.446 194.005,56.932 ; v1@193.025,58.989 192.75,58.989 190.693,56.932 190.693,56.844 191.81,55.728 194.107,55.728 196.383,53.452 206.649,53.452 207.427,54.229 ; v2@193.465,68.847 194.692,69.181 ; v2@193.491,69.6 194.692,69.181 ; 194.084,64.681 194.996,64.681 ; 194.084,65.181 194.996,65.181 ; 194.084,66.181 194.996,66.181 ; 194.084,66.681 194.996,66.681 ; 194.084,68.181 194.996,68.181 ; 194.084,69.181 194.996,69.181 ; v1@195.415,82.903 196.862,82.787 ; v1@195.417,82.647 196.862,82.787 ; v1@195.421,82.147 196.863,82.032 ; v1@195.423,81.891 196.863,82.032 ; v1@195.45,82.651 196.863,82.595 ; v1@195.454,82.144 196.863,82.222 ; v1@195.484,82.905 196.863,82.595 ; v1@195.484,82.651 196.86,82.408 ; v1@195.486,82.145 196.86,82.398 ; v1@195.486,82.651 196.86,82.398 ; v1@195.488,82.145 196.86,82.408 ; v1@195.492,81.89 196.863,82.222 ; v1@195.517,82.646 196.863,82.222 ; v1@195.521,82.15 196.863,82.595 ; v1@195.549,82.637 196.863,82.032 ; v1@195.552,82.16 196.862,82.787 ; v1@195.552,82.898 196.86,82.408 ; v1@195.556,81.898 196.86,82.398 ; v1@195.556,82.897 196.86,82.398 ; v1@195.559,81.899 196.86,82.408 ; v1@195.616,82.882 196.863,82.222 ; v1@195.623,81.916 196.863,82.595 ; v1@195.676,82.859 196.863,82.032 ; v1@195.683,81.94 196.862,82.787 ; 195.746,64.181 199.934,64.181 ; 195.746,68.181 190.452,68.181 ; 195.746,69.181 193.465,69.181 v2(193.421,69.225) 194.692,69.181 ; 196.26,57.7 198.303,58.512 ; 196.369,57.466 198.303,58.512 ; 196.503,57.249 198.303,58.512 ; 196.514,57.815 194.97,56.932 ; 196.539,56.093 194.97,56.932 ; 196.626,57.58 194.97,56.932 ; 196.644,56.331 194.97,56.932 ; 196.702,57.335 194.97,56.932 ; 196.713,56.578 194.97,56.932 ; 197.04,56.712 198.303,58.512 ; 197.046,68.819 197.046,69.731 ; 197.046,70.481 197.046,67.175 ; v2(197.18,72.68) 198.046,71.813 ; 197.206,84.739 198.674,85.461 ; 197.206,82.926 v1@195.897,82.398 ; 197.217,81.898 v1@195.897,82.398 ; 197.258,56.578 198.303,58.512 ; 197.28,82.68 v1@195.897,82.398 ; 197.286,82.145 v1@195.897,82.398 ; 197.309,82.413 v1@195.897,82.398 ; 197.336,84.519 198.674,85.461 ; 197.491,56.468 198.303,58.512 ; 197.509,84.313 198.674,85.461 ; 197.51,82.398 v1(195.463,82.398) ; 197.51,84.298 199.812,86.599 201.381,86.599 201.981,87.198 201.981,96.657 206.184,100.861 206.184,106.614 ; v1@197.518,65.999 197.046,67.175 ; 197.546,70.481 197.546,68.554 198.816,67.284 199.934,67.284 ; 197.713,84.137 198.674,85.461 ; v1@197.745,66.118 197.046,67.175 ; 197.931,84.004 198.674,85.461 ; 198.046,70.481 198.046,71.813 ; 198.046,71.231 198.046,71.813 ; v1@198.103,66.476 197.046,67.175 ; v1@198.222,66.703 197.046,67.175 ; v2(198.399,72.654) 199.546,71.507 ; 199.046,60.719 199.046,61.631 ; 199.046,62.381 199.046,59.255 196.748,56.957 ; 199.268,84.709 200.681,85.486 ; 199.409,84.495 200.681,85.486 ; 199.492,82.398 v1(202.524,82.398) ; 199.492,84.298 199.715,84.298 202.438,87.02 202.438,94.6 204.406,96.568 205.905,96.568 205.905,94.397 ; 199.546,60.719 199.546,61.631 ; 199.546,62.381 199.546,59.239 201.828,56.957 205.527,56.957 204.115,56.957 ; 199.546,70.481 199.546,71.507 ; 199.592,82.398 201.004,82.398 ; 199.592,84.298 200.681,85.486 ; 199.617,82.13 201.004,82.398 ; 199.617,82.665 201.004,82.398 ; v2(199.619,72.654) 200.046,72.226 200.046,70.481 ; 199.688,81.884 201.004,82.398 ; 199.688,82.912 201.004,82.398 ; 199.804,84.133 200.029,84.358 200.029,84.012 ; 200.046,71.231 200.046,72.143 ; 201.046,70.481 201.046,72.446 201.909,72.446 202.244,72.781 209.474,72.781 213.182,69.073 v2(213.182,67.32) ; 201.046,71.231 201.046,72.143 ; 201.086,56.468 200.274,58.512 ; 201.319,56.578 200.274,58.512 ; 201.537,56.712 200.274,58.512 ; 201.546,70.481 201.546,71.509 ; 201.546,71.231 201.546,71.509 ; 201.869,56.578 203.606,56.957 ; 201.869,57.336 203.606,56.957 ; 201.942,56.332 203.606,56.957 ; 201.942,57.582 203.606,56.957 ; 202.046,61.631 202.046,61.336 ; 202.046,62.381 202.046,61.336 ; 202.046,70.481 202.046,71.434 ; 202.051,56.096 203.606,56.957 ; 202.051,57.818 203.606,56.957 ; 202.073,57.249 200.274,58.512 ; 202.208,57.466 200.274,58.512 ; 202.317,57.7 200.274,58.512 ; v1@202.432,81.898 201.127,82.398 ; v1@202.432,82.897 201.127,82.398 ; v1@202.501,82.145 201.127,82.398 ; v1@202.501,82.651 201.127,82.398 ; 202.546,61.631 203.073,60.97 ; 202.546,62.381 202.546,61.497 203.073,60.97 ; 203.846,63.681 206.749,63.681 207.95,64.882 v1(212.344,64.882) 210.947,64.882 ; 203.846,64.181 206.436,64.181 208.686,66.431 ; 203.846,67.681 203.866,67.701 v1(207.289,67.701) ; 203.846,68.681 201.331,68.681 199.934,67.284 ; 203.846,69.181 208.324,69.181 208.585,68.92 208.585,66.914 207.848,66.177 v1(206.172,66.177) ; 204.029,71.213 202.546,70.481 202.546,71.213 206.648,71.213 ; 204.596,63.681 205.508,63.681 ; 204.596,64.181 205.508,64.181 ; 204.596,67.681 205.509,67.701 ; 204.596,69.181 205.508,69.181 ; v2(204.8,58.938) 204.292,59.446 201.549,59.446 200.546,60.449 200.546,62.381 200.546,63.569 199.934,64.181 ; v2@204.913,59.302 205.445,58.938 207.427,56.957 207.427,54.229 ; 205.43,56.443 204.115,56.957 ; 205.43,57.471 204.115,56.957 ; 205.501,56.689 204.115,56.957 ; 205.501,57.225 204.115,56.957 ; 205.578,94.441 205.905,95.616 206.232,94.441 ; 205.857,106.569 206.184,105.395 206.512,106.569 ; v1@206.195,65.924 207.569,66.177 ; v1@206.195,66.43 207.569,66.177 ; v1@206.264,65.678 207.569,66.177 ; v1@206.264,66.677 207.569,66.177 ; v2@206.832,70.509 206.648,71.213 ; v2(207.162,70.698) 206.648,71.213 ; v1@207.197,67.202 205.892,67.701 ; v1@207.197,68.201 205.892,67.701 ; v1@207.266,67.448 205.892,67.701 ; v1@207.266,67.954 205.892,67.701 ; v2@207.352,71.029 206.648,71.213 ; 207.493,60.97 207.442,60.97 ; v2@208.506,70.549 207.927,71.661 ; 208.625,48.997 207.427,50.195 207.427,54.229 ; v2@209.039,71.082 207.927,71.661 ; v1@209.52,56.536 210.744,56.017 ; v1@209.642,56.761 210.744,56.017 ; v1@209.674,61.851 208.813,62.342 ; v1@209.674,62.833 208.813,62.342 ; v1@209.762,65.935 208.686,66.431 ; v1@209.762,66.927 208.686,66.431 ; v1@209.771,62.09 208.813,62.342 ; v1@209.771,62.594 208.813,62.342 ; v1(209.804,56.957) 210.744,56.017 ; v1(209.804,59.294) 211.303,59.294 v1(215.341,55.255) 214.167,56.429 ; v1@209.827,59.041 211.201,59.294 ; v1@209.827,59.547 211.201,59.294 ; v1@209.827,62.089 211.201,62.342 ; v1@209.827,62.595 211.201,62.342 ; v1@209.843,66.179 208.686,66.431 ; v1@209.843,66.684 208.686,66.431 ; v1@209.896,58.794 211.201,59.294 ; v1@209.896,59.793 211.201,59.294 ; v1@209.896,61.842 211.201,62.342 ; v1@209.896,62.841 211.201,62.342 ; v1@210,57.119 210.744,56.017 ; v1@210.225,57.241 210.744,56.017 ; v2@211.26,67.425 211.709,68.619 ; v2@212.012,67.38 211.709,68.619 ; v1@212.04,60.209 213.503,60.986 ; v1@212.177,59.993 213.503,60.986 ; v1@212.252,64.382 210.947,64.882 ; v1@212.252,65.381 210.947,64.882 ; v1@212.321,64.629 210.947,64.882 ; v1@212.321,65.135 210.947,64.882 ; v1@212.539,59.639 213.503,60.986 ; v1@212.757,59.506 213.503,60.986 ; v2@212.806,67.377 213.182,68.59 v2@213.559,67.377 ; 213.625,95.684 215.151,95.387 ; 213.694,95.661 215.194,95.574 ; 213.695,95.931 215.151,95.387 ; 213.697,96.632 215.13,95.934 ; 213.731,95.915 215.194,95.574 ; 213.767,95.648 215.165,95.767 ; 213.769,95.905 215.165,95.767 ; 213.785,95.628 cw(c213.785,91.643) 216.603,94.461 ; 213.785,95.882 cw(c213.785,92.51) 216.17,94.895 ; 213.785,96.136 cw(c213.785,93.378) 215.736,95.328 ; 213.785,96.39 cw(c213.785,94.245) 215.303,95.762 ; 213.785,96.644 cw(c213.785,95.112) 214.869,96.196 ; 213.785,96.898 cw(c213.785,95.979) 214.435,96.629 ; 213.785,97.152 cw(c213.785,96.846) 214.002,97.063 ; 213.827,96.853 215.13,95.934 ; 213.851,95.898 214.858,96.103 ; 213.92,96.524 214.858,96.103 ; 213.934,95.652 214.858,96.103 ; 213.972,96.505 215.165,95.767 ; 213.986,92.984 214.109,92.984 217.457,89.636 217.457,87.663 206.919,77.125 171.843,77.125 168.336,73.617 ; 213.986,97.079 218.491,92.574 218.491,87.978 218.266,87.753 218.266,87.742 207.088,76.564 206.761,76.564 206.709,76.617 172.135,76.617 169.136,73.617 ; 214.002,96.489 215.194,95.574 ; 214.008,91.597 215.399,91.304 ; 214.033,96.467 215.151,95.387 ; 214.036,97.094 215.13,95.934 ; 214.056,96.746 214.858,96.103 ; 214.07,91.574 215.537,91.426 ; 214.084,91.842 215.399,91.304 ; 214.117,91.826 215.537,91.426 ; 214.124,91.56 215.522,91.571 ; 214.127,96.71 215.165,95.767 ; 214.145,91.817 215.522,91.571 ; 214.175,91.809 215.231,91.762 ; 214.176,96.678 215.194,95.574 ; 214.186,91.534 cw(c214.186,88.218) 216.531,90.563 ; 214.186,91.788 cw(c214.186,89.085) 216.097,90.996 ; 214.186,92.042 cw(c214.186,89.953) 215.663,91.43 ; 214.186,92.296 cw(c214.186,90.82) 215.23,91.864 ; 214.195,91.551 215.231,91.762 ; 214.226,96.637 215.151,95.387 ; 214.289,97.289 215.13,95.934 ; 214.389,92.402 215.231,91.762 ; 214.395,92.399 215.522,91.571 ; 214.417,92.385 215.537,91.426 ; 214.448,92.361 215.399,91.304 ; 214.517,97.406 215.13,95.934 ; 214.566,92.591 215.522,91.571 ; 214.571,92.588 215.231,91.762 ; 214.6,92.565 215.537,91.426 ; 214.654,92.515 215.399,91.304 ; v1@214.931,54.955 214.167,56.429 ; v1@215.017,63.137 214.213,61.696 ; v1@215.148,55.09 214.167,56.429 ; 215.201,99.491 cw(c215.201,95.054) 218.338,98.192 ; 215.201,99.745 cw(c215.201,95.921) 217.905,98.625 ; 215.201,99.999 cw(c215.201,96.789) 217.471,99.059 ; 215.201,100.253 cw(c215.201,97.656) 217.038,99.492 ; 215.201,100.507 cw(c215.201,98.523) 216.604,99.926 ; 215.201,100.761 cw(c215.201,99.39) 216.17,100.36 ; 215.201,101.015 cw(c215.201,100.258) 215.737,100.793 ; v1@215.23,62.996 214.213,61.696 ; 215.331,100.473 216.41,99.323 ; 215.384,100.403 216.579,99.488 ; 215.438,100.35 216.723,99.615 ; 215.468,100.326 216.5,99.905 ; 215.48,100.317 216.818,99.712 ; v1@215.507,55.448 214.167,56.429 ; 215.531,100.633 216.41,99.323 ; 215.557,100.592 216.579,99.488 ; v1@215.576,62.626 214.213,61.696 ; 215.584,100.561 216.723,99.615 ; 215.592,100.552 216.5,99.905 ; 215.605,100.541 216.818,99.712 ; v1@215.641,55.665 214.167,56.429 ; 215.654,89.404 215.762,89.296 215.762,86.686 206.709,77.633 171.551,77.633 167.536,73.617 ; v1@215.704,62.405 214.213,61.696 ; 215.762,100.768 218.999,97.531 218.999,92.784 219.051,92.732 219.051,87.82 218.774,87.542 218.774,87.531 207.299,76.056 206.551,76.056 206.498,76.109 172.427,76.109 169.936,73.617 ; 215.821,88.758 215.762,87.452 ; 216.068,100.975 216.818,99.712 ; 216.076,88.721 215.762,87.452 ; 216.084,100.951 216.723,99.615 ; 216.09,100.941 216.5,99.905 ; 216.103,100.915 216.579,99.488 ; 216.119,100.873 216.41,99.323 ; 216.299,101.086 216.818,99.712 ; 216.325,101.041 216.723,99.615 ; 216.34,101.008 216.5,99.905 ; 216.353,100.975 216.579,99.488 ; 216.374,88.607 215.762,87.452 ; 216.374,100.9 216.41,99.323 ; 216.551,65.7 215.798,65.872 ; 216.551,66.044 215.798,65.872 ; 216.554,64.43 215.621,64.602 ; 216.554,64.775 215.621,64.602 ; 216.57,64.602 215.621,64.602 ; 216.57,65.872 215.798,65.872 ; 216.636,88.424 215.762,87.452 ; 216.681,59.492 217.195,58.176